# Altium PCB slave2020.PcbDoc (part 1 of 2) (continued)
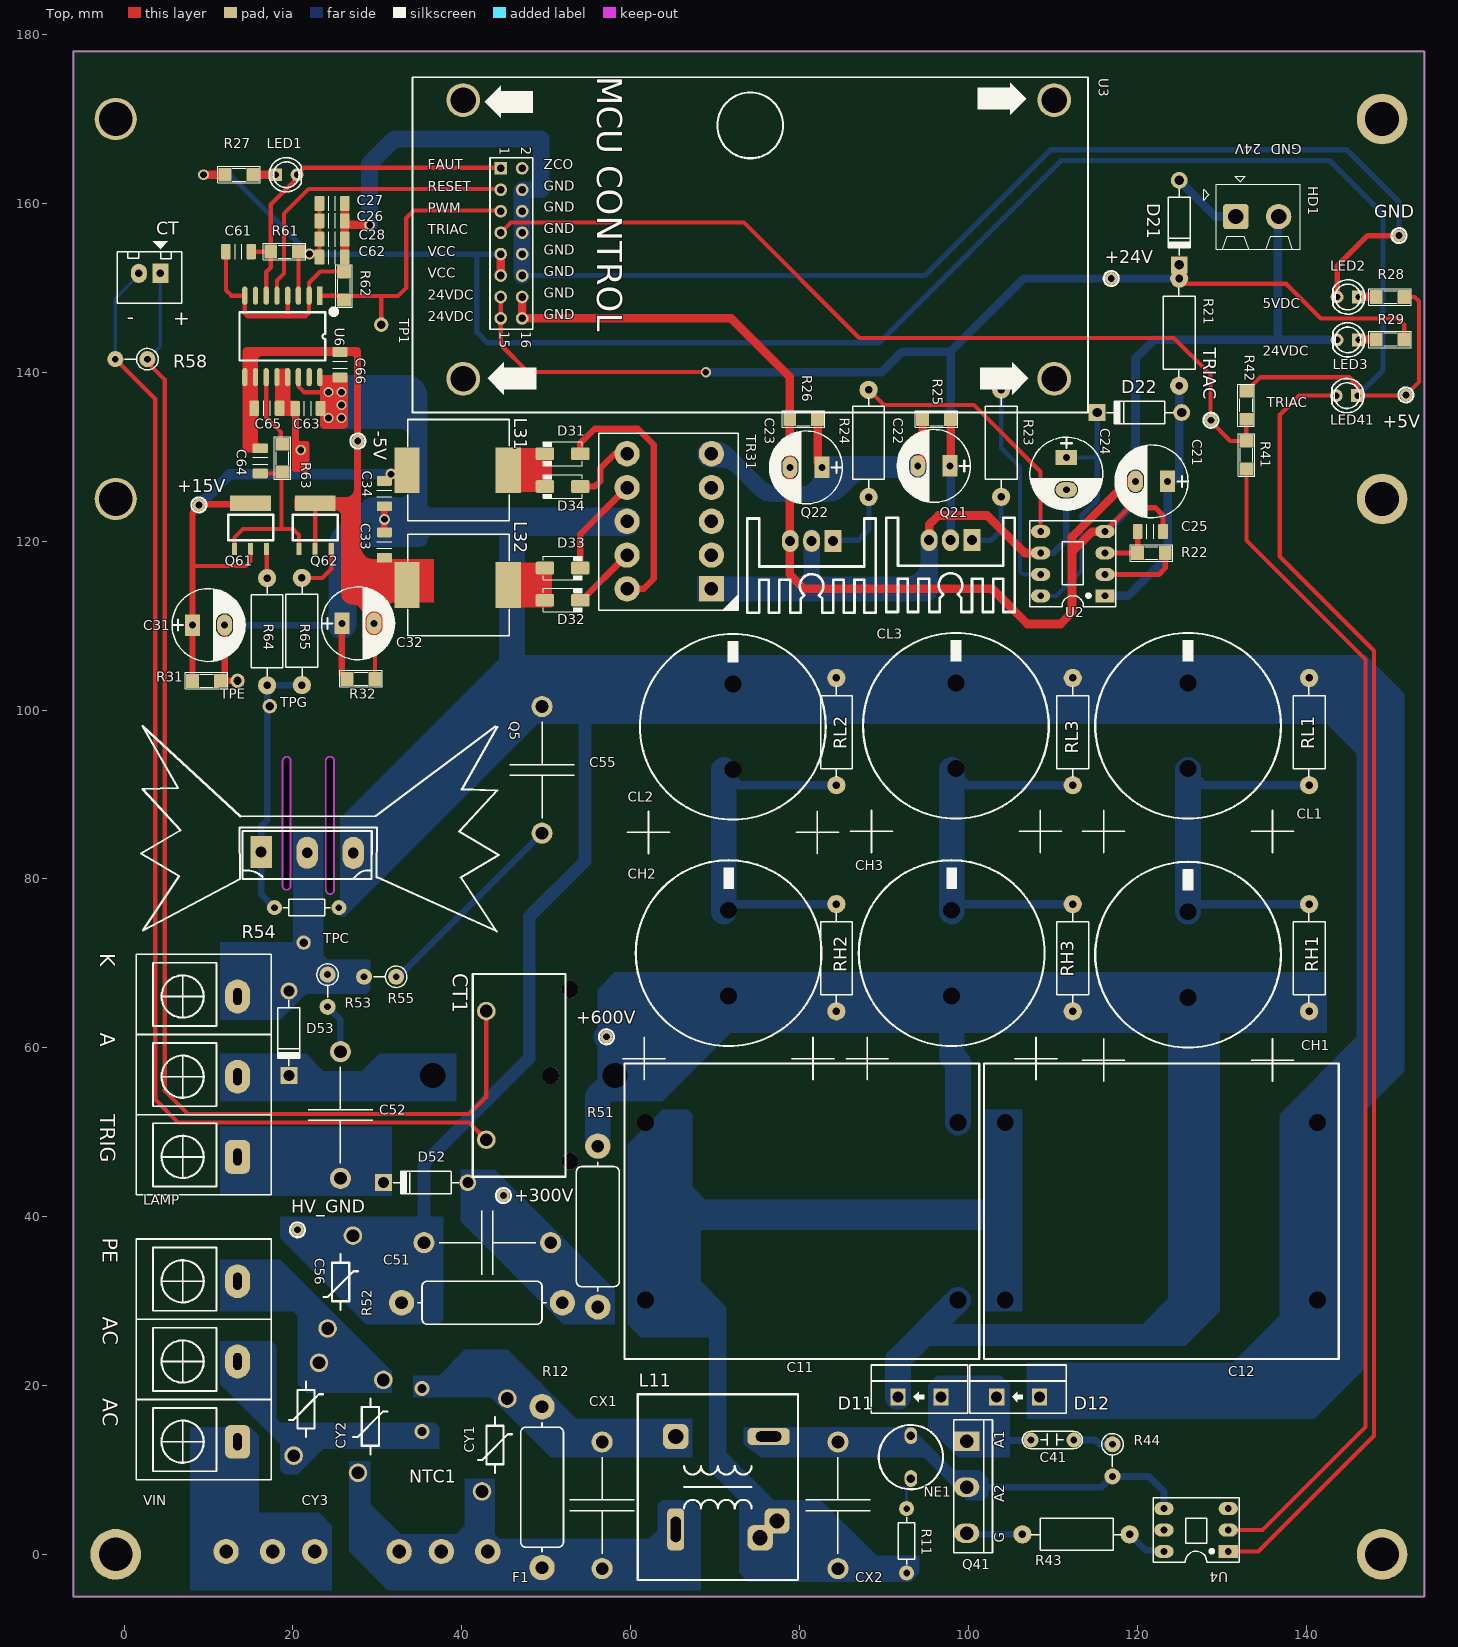
[diagram p0: Top view]
## Footprints (in the part's own frame and the unit in brackets; to place one, negate y for a bottom-side part, rotate by r counter-clockwise, add the part's x,y. Pads: shape width x height; smd on the part's side, far side on the other; paste and mask are expansions set on the pad) (continued)
MOV [mm] "20mm"
  round 2.2 hole 1.5: 1(0,0) 2(11,-3)
  silkscreen extent 2.2,-3.57 8.81,0.49, body extent -4.66,-3.29 15.34,0.21, height 24.75
NE2 [mm]
  oval 2x1.5 hole 1: 1(0,0) 2(5.08,0)
  silkscreen extent -1.27,-3.81 6.35,3.81, body extent 0.37,-2.03 4.71,2.32, height 9.5
PCBComponent_1 [mm]
  round 2.2 hole 1.5: 1(7.62,-4.445) 2(-7.62,-4.445)
  round 0 / inner round 0 / far side round 5 hole 3: 3(0,-10.795) 4(0,10.795)
  round 2 hole 2: H(-10.16,5.461) H(0,3.175) H(10.16,5.461)
  silkscreen extent -12,-6.05 12,4.95, body extent -12.03,-6.09 11.79,5.03, height 23.82
R1/4WD [mm] "R 1/4W, 2 Pin, 150mil"
  round 1.905 hole 0.8: 1(0,0) 2(3.81,0)
  silkscreen extent -1.28,-1.27 2.67,1.28, body extent -1.78,-1.7 4.32,1.7, height 13.42
RES-1/4W [mil]
  round 70 hole 31: 1(0,0) 2(300,0)
  silkscreen extent 40,-38 260,38, body extent -9,-40 309,39, height 79
RES-1W [mil]
  round 85 hole 35: 1(0,0) 2(500,0)
  silkscreen extent 42,-74 461,75, body extent -15,-74 515,74, height 189
RES-3W [mm]
  round 1.27 on Mech14: 0(9.525,0)
  round 3 hole 1.5: 1(0,0) 2(19.05,0)
  silkscreen extent 1.91,-2.54 17.14,2.54, body extent -0.43,-2.51 19.48,2.51, height 5.01
RES-SMD-1206 [mil]
  rect 60x65 smd: 1(0,0) 2(130,0)
  silkscreen extent -34,-38 164,39, body extent -18,-35 148,36, height 25
SO16 [mil]
  rect 85x25 smd: 1(0,0)
  oval 85x25 smd: 2(0,-50) 3(0,-100) 4(0,-150) 5(0,-200) 6(0,-250) 7(0,-300) 8(0,-350) 9(380,-350) 10(380,-300) 11(380,-250) 12(380,-200) 13(380,-150) 14(380,-100) 15(380,-50) 16(380,0)
  silkscreen extent 65,-375 303,75, body extent -7,-376 387,26, height 93
SOT223 [mm]
  rect 0.6x1.4 smd: 1(-1.905,-5.4) 2(0,-5.4) 3(1.905,-5.4)
  rect 4.826x1.78 smd: 2(0,0)
  silkscreen extent -2.67,-4.38 2.67,-1.34
TO247+LageHeatsink [mil]
  rect 150x100 hole 50: 1(0,0)
  oval 150x100 hole 50: 2(4,215) 3(5,430)
  silkscreen extent -587,-560 372,1108, body extent -620,-599 370,1039, height 2600
TO-126 [mm]
  round 1.8 hole 1.1: 1(0,0) 2(5.08,0)
  body extent -1.7,-0.97 6.73,1.83, height 14.32
TO-220-HEATSINK [mil]
  rect 78x102 hole 46.97: 1(0,0)
  oval 78x102 hole 46.97: 2(100,0) 3(200,0)
  round 0 all layers, no hole: HS(100,209.05)
  silkscreen extent -200,-105 400,335, body extent -191,-97 391,329, height 984
TO-220F [mm]
  rect 1.8x2 hole 1.3: A(2.54,0) K(-2.54,0)
  silkscreen extent -5.71,-1.91 5.71,3.81, body extent -4.92,-2.13 4.98,2.37, height 8.08
TOP3 [mm]
  rect 2.3x3 / inner rect 2.3x3 / far side oval 2.3x3 hole 1.6: 1(0,0)
  oval 2.3x3 hole 1.6: 2(5.45,0)
  oval 2.3x3 / inner oval 2.3x3 / far side rect 2.3x3 hole 1.6: 3(10.9,0)
  silkscreen extent -2.54,-1.52 13.21,3.05, body extent -2.34,-1.4 13.16,3.1, height 29.9
TP#1 [mm]
  round 1.7 hole 1: 1(0,0)
TP#2 [mm]
  round 1.7 hole 1: 1(14.94,-28.965)
TP#3 [mm]
  round 1.7 hole 1: 1(-13.335,-29.845)
TP#4 [mm]
  round 1.7 hole 1: 1(16.3,-7.892)
TP2 [mm]
  round 1.5 hole 0.8: 1(0,0)
  silkscreen extent -0.89,-0.89 0.89,0.89
"X2 CAP" [mm] "0.47uF X2 RATED SAFETY CAP 310 VAC WHT 18mmX14mmX8mm LEAD SPACING 15mm"
  round 2.5 hole 1.5: 1(0,0) 2(0,-15)
  silkscreen extent -3.81,-13.21 3.81,-1.78, body extent -4.02,-16.53 3.99,1.48, height 15.01

## Part data
C11 C12: library part "CAP NP", Capacitance=90uF, Dielectric=PP, ESR (Equivalent Series Resistance)=2.3mR, Manufacturer=WIMA, Manufacturer Part Number=C4AQLBW5900A3OK, Max Operating Temperature=105°C, Min Operating Temperature=-55°C, Supplier Part Number 1=505-DCP4-100/800/10L, Tolerance=10%, Voltage Rating=800V, cm1="T? di?n dán 0603", cm2="T? di?n dán 0805", cm3="T? di?n dán 1206", ComponentLink1Description=http://www.wima.com/EN/WIMA_DC_Link_MKP_4.pdf, ComponentLink1URL=http://www.wima.com/EN/WIMA_DC_Link_MKP_4.pdf, Height=65mm, Lead Pitch=52.5mm, Length=57mm, Packaging=Bulk, Stock 1=0, Supplier 1=Mouser, Termination=Radial, Width=45mm
C21 C22 C23: library part CP, "T? hóa 220uF/35V c?m", cm1="Tu nhôm 450V/150uF  c?m", cm2="T? hóa 220uF/35V c?m", cm3="Tu hóa < 22uF/16>50V c?m"
C24: library part CP, "T? hóa 100uF/35V c?m", cm1="Tu nhôm 450V/150uF  c?m", cm2="T? hóa 22uF/35V c?m", cm3="Tu hóa < 22uF/16>50V c?m"
C25 C26 C27 C28 C33 C34 C61 C62 C63 C64 C65 C66: library part CN, "T? dán SMD 1206", cm1="T? l?c nhi?u X2 chân c?m", cm2="T? ch?ng sét - Varistor chân c?m", cm3="T? k?o chân c?m", cm4="T? dán SMD 1206", cm5="T? cao áp chân c?m"
C31 C32: library part CP, "T? hóa 1000uF/35V c?m", cm1="Tu nhôm 450V/150uF  c?m", cm2="T? hóa 1000uF/35V c?m", cm3="Tu hóa < 22uF/16>50V c?m"
C41: library part CN, "T? cao áp chân c?m", cm1="T? l?c nhi?u X2 chân c?m", cm2="T? ch?ng sét - Varistor chân c?m", cm3="T? k?o chân c?m", cm4="T? dán SMD 1206", cm5="T? cao áp chân c?m"
C51 C52 C55: library part CN, "0.1µF Film Capacitor 250V 630V Polypropylene (PP), Metallized Radial 0.709\" L x 0.276\" W (18.00mm x 7.00mm)", Capacitance=100nF, Case/Package=Radial, Dielectric=PP, Flammability Rating="UL94 V-0", Manufacturer="TDK EPCOS", Manufacturer Part Number=B32652-A6104-J, Max Operating Temperature=100°C, Min Operating Temperature=-55°C, Package Quantity=1000, Supplier Part Number 1=B32652A6104J, Tolerance=5%, Voltage Rating=630V, Voltage Rating (AC)=250V, cm1="T? l?c nhi?u X2 chân c?m", cm2="T? ch?ng sét - Varistor chân c?m", cm3="T? k?o chân c?m", cm4="T? dán SMD 1206", cm5="T? cao áp chân c?m", Contact Plating=Matte,Tin, Depth=7mm, Dielectric Material=PP, Height - Seated (Max)=0.492inch, Lead Diameter=0.8mm, Lead Free="Lead Free", Lead Length=6mm, Lead Pitch=15mm, Length=0.709inch, Mount="Through Hole", Packaging=Bulk, Pricing 1="1=0.4069, 10=0.3499, 25=0.3489, 50=0.3489, 100=0.2639 (USD)", REACH SVHC="No SVHC", Stock 1=0, Supplier 1=Avnet, Termination="PC Pins", Voltage Rating (DC)=630V, Width=0.276inch
C56: library part CN, "T? cao áp chân c?m", Capacitance=200pF, Case/Package=Metal, Clamping Current=50A, Clamping Voltage=1.65kV, Manufacturer=Bourns, Max Operating Temperature=85°C, Max Surge Current=4.5kA, Max Varistor Voltage=1.1kV, Max Voltage Rating (AC)=625V, Max Voltage Rating (DC)=825V, Min Operating Temperature=-40°C, Min Varistor Voltage=900V, Package Quantity=500, Supplier Part Number 1=652-MOV-14D102K, Tolerance=10%, Varistor Voltage=1kV, cm1="T? l?c nhi?u X2 chân c?m", cm2="T? ch?ng sét - Varistor chân c?m", cm3="T? k?o chân c?m", cm4="T? dán SMD 1206", cm5="T? cao áp chân c?m", Current Rating=50A, Diameter=14mm, Energy=190J, Lead Pitch=7.5mm, Manufacturer Part Number=MOV-14D102K, Mount="Radial,Through Hole", Number of Circuits=1, Packaging=Bulk, Pricing 1="1=0.69, 10=0.507, 50=0.507, 100=0.435, 1000=0.246, 10000=0.188 (USD)", Radiation Hardening=No, REACH SVHC="No SVHC", Stock 1=4534, Supplier 1=Mouser, Voltage Rating (AC)=625V, Voltage Rating (DC)=1kV, Weight=0.105822oz
CH1 CH2 CH3 CL1 CL2 CL3: library part CP, "WURTH ELEKTRONIK         861141483005             Electrolytic Capacitor, Snap-in, 150 F, 450 V, WCAP-AI3H Series,  20%, 22 mm, 10 mm", Case/Package=Radial, Manufacturer="Wurth Electronics", Manufacturer Part Number=861141483005, Max Operating Temperature=105°C, Min Operating Temperature=-25°C, Package Quantity=100, Ripple Current=880mA, Supplier Part Number 1=710-861141483005, Tolerance=20%, Voltage Rating=450V, Capacitance=180uF, cm1="Tu nhôm 450V/150uF  c?m", cm2="T? hóa 1000uF/35V c?m", cm3="Tu hóa < 22uF/16>50V c?m", Diameter=22mm, Height=46mm, Height - Seated (Max)=1.89inch, Lead Pitch=0.394inch, Life (Hours)=3000Hour, Mount="Through Hole", Packaging=Tray, Polarity=Polar, Pricing 1="1=6.18, 10=6.17, 50=5.36, 100=4.62, 1000=3.23, 10000=2.82 (USD)", REACH SVHC=Unknown, Stock 1=96, Supplier 1=Mouser, Voltage Rating (DC)=450V
CT: library part Con2, "Connector 2"
CT1: "Bi?n dòng cách ly 20A/20mA", Current Rating=20A, DC Resistance (DCR)=40R, Frequency=60Hz, Manufacturer="Triad Magnetics", Manufacturer Part Number=CST-1020, Package Quantity=1, Power Rating=40mW, Supplier Part Number 1=553-CST-1020, Approvals=UL, Height=24.8mm, Height - Seated (Max)=24.8mm, Input Current=20A, Lead Free="Lead Free", Length=23.5mm, Mount="PCB,Through Hole", Packaging=Bulk, Pricing 1="1=6.39, 10=5.2, 50=4.55, 100=4.48, 1000=4.06, 10000=4.06 (USD)", REACH SVHC=Unknown, Stock 1=124, Supplier 1=Mouser, Termination="PC Pin", Turns Ratio=1000:1, Weight=0.705479oz, Width=12mm
CX1 CX2: library part CN, "T? l?c nhi?u X2 chân c?m", Capacitance=220nF, Case/Package=Radial, Dielectric=PP, Manufacturer="Wurth Electronics", Manufacturer Part Number=890324024002CS, Max Operating Temperature=105°C, Min Operating Temperature=-40°C, Tolerance=10%, Voltage Rating (AC)=275V, cm1="T? l?c nhi?u X2 chân c?m", cm2="T? ch?ng sét - Varistor chân c?m", cm3="T? k?o chân c?m", cm4="T? dán SMD 1206", cm5="T? cao áp chân c?m", Dielectric Material=PP, Height - Seated (Max)=0.512inch, Lead Pitch=0.492inch, Length=0.591inch, Mount="Through Hole", Packaging=Bulk, Pricing 1="1=0.52, 50=0.474, 100=0.436, 250=0.404, 500=0.376 (USD)", REACH SVHC=Unknown, spn1=70997332, Stock 1=100, Supplier 1="Allied Electronics", Termination="PC Pins", Width=0.276inch
CY1 CY2 CY3: library part Varistor, "Ceramic Disc Capacitors 250volts 2200pF 20% Y5U", Capacitance=2.2nF, Case/Package=Radial, Dielectric=Y5U, Dielectric Material=PP, Manufacturer=KEMET, Max Operating Temperature=125°C, Min Operating Temperature=-25°C, MPN=C931U222MUWDBA7317, Package Quantity=500, Supplier Part Number 1=80-C931U222MUWDBAP, Tolerance=20%, Voltage=250V, cm="Varistor chân c?m", Composition=Ceramic, Contact Plating=Tin, Depth=5mm, Diameter=10mm, Dissipation Factor=2.5%, Lead/Base Style=Kinked, Lead Pitch=10mm, Mount="Through Hole", Packaging="Cut Tape", Pricing 1="1=1.53, 10=1.18, 50=1.18, 100=0.747, 1000=0.509, 10000=0.509 (USD)", REACH SVHC="No SVHC", Stock 1=5642, Supplier 1=Mouser, Termination=Radial, Voltage Rating=250V, Voltage Rating (AC)=250V
D11 D12: library part Diode, Manufacturer="WeEn Semiconductors", MPN=BYT79X-600PQ, cm1="Ði ?t c?m", cm2="Ði ?t dán", Stock 1=0, Supplier 1=Avnet, Supplier Part Number 1=BYT79X-600PQ, vl2=FR307, vl3="TVS 1.5KE300A 19A 300V", vl4="HER508 5A 1000V"
D21 D22: library part Diode, Average Rectified Current=1A, Capacitance=15pF, Forward Voltage=1.1V, Manufacturer="ON Semiconductor / Fairchild", Manufacturer Part Number=1N4007, Max Forward Surge Current (Ifsm)=30A, Max Operating Temperature=175°C, Max Repetitive Reverse Voltage (Vrrm)=1kV, Min Operating Temperature=-65°C, Package Quantity=1000, Peak Reverse Current=5uA, Power Dissipation=3W, cm1="Ði ?t c?m", cm2="Ði ?t dán", Contact Plating=Matte,Tin, Current Rating=1A, Diameter=2.72mm, Element Configuration=Single, Forward Current=1A, Height=5.2mm, Lead Free="Lead Free", Length=5.2mm, Max Reverse Voltage (DC)=1kV, Max Surge Current=30A, Mount="Through Hole", Number of Pins=2, Output Current=1A, Packaging="Tape and Reel", Peak Non-Repetitive Surge Current=30A, Polarity=Standard, Pricing 1="1=0.18, 10=0.168, 100=0.0912, 500=0.05614, 1000=0.03827 (USD)", Radiation Hardening=No, REACH SVHC="No SVHC", Reverse Voltage=1kV, Stock 1=0, Supplier 1=Digi-Key, vl1=1N4007FSCT-ND, vl2=FR307, vl3="TVS 1.5KE300A 19A 300V", vl4="HER508 5A 1000V", Voltage Rating (DC)=1kV, Weight=0.245g, Width=2.72mm
D31 D32 D33 D34: library part Diode, "Diode nhanh dán", Average Rectified Current=1A, Case/Package=SMA, Forward Voltage=500mV, Manufacturer="ON Semiconductor / Fairchild", Manufacturer Part Number=SS14, Max Forward Surge Current (Ifsm)=40A, Max Operating Temperature=125°C, Max Power Dissipation=1.1W, Max Repetitive Reverse Voltage (Vrrm)=40V, Min Operating Temperature=-65°C, Package Quantity=7500, Peak Reverse Current=200uA, cm1="Diode nhanh c?m", cm2="Diode nhanh dán", cm3="Diode zenner", Current=1A, Current Rating=1A, Element Configuration=Single, Forward Current=1A, Height=2.2mm, Lead Free="Lead Free", Length=4.75mm, Max Reverse Voltage (DC)=40V, Mount="Surface Mount", Number of Elements=1, Number of Pins=2, Number of Terminals=2, Output Current=1A, Packaging="Tape and Reel", Peak Non-Repetitive Surge Current=40A, Polarity=Standard, Power Dissipation=1.1W, Pricing 1="1=0.42, 10=0.294, 50=0.294, 100=0.135, 1000=0.104, 10000=0.081 (USD)", Radiation Hardening=No, REACH SVHC="No SVHC", Stock 1=456962, Supplier 1=Mouser, Termination=SMD/SMT, vl1=512-SS14, Voltage=40V, Voltage Rating (DC)=40V, Weight=0.003739oz, Width=2.95mm
D52 D53: library part Diode, "DIODE GEN PURP 1KV 1A AXIAL", Average Rectified Current=1A, Case/Package=Axial, Forward Voltage=1.75V, Manufacturer="ON Semiconductor", Max Forward Surge Current (Ifsm)=35A, Max Operating Temperature=175°C, Max Repetitive Reverse Voltage (Vrrm)=1kV, Min Operating Temperature=-65°C, Package Quantity=1, Peak Reverse Current=10uA, Supplier Part Number 1=863-MUR1100ERLG, cm1="Ði ?t c?m", cm2="Ði ?t dán", Contact Plating=Matte,Tin, Current Rating=1A, Diameter=2.7mm, Element Configuration=Single, Forward Current=1A, Halogen Free="Halogen Free", Height=2.7mm, Lead Free="Lead Free", Length=5.2mm, Max Reverse Voltage (DC)=1kV, Max Surge Current=35A, Number of Pins=2, Output Current=1A, Packaging="Tape and Reel", Peak Non-Repetitive Surge Current=35A, Polarity=Standard, Pricing 1="1=0.41, 10=0.339, 50=0.339, 100=0.207, 1000=0.16, 10000=0.127 (USD)", Radiation Hardening=No, REACH SVHC="No SVHC", Recovery Time=100ns, Reverse Recovery Time=100ns, Reverse Voltage=1kV, Stock 1=36652, Supplier 1=Mouser, vl1=MUR1100ERLG, vl2=FR307, vl3="TVS 1.5KE300A 19A 300V", vl4="HER508 5A 1000V", Voltage Rating (DC)=1kV, Weight=100lb, Width=2.7mm
F1: library part Fuse, "C?u chì ?ng th?y tinh", cm1="C?u chì ?ng th?y tinh"
HD1: library part HEADER2, "300V 10A", cm="300V 10A"
L11: library part Choke, "Cu?n c?m l?c ngu?n d?u vào", Case/Package=SMD/SMT, Current=1A, DC Resistance (DCR)=310mR, Inductance=1.8mh, Manufacturer="Wurth Electronics", Max Current Rating=15A, Max Operating Temperature=125°C, Min Operating Temperature=-40°C, Package Quantity=30, Supplier Part Number 1=710-744862018, Test Frequency=10kHz, Tolerance=50%, Voltage Rating (AC)=250V, Core Material=Ferrite, Current Rating=1A, Depth=11mm, Height=17mm, Lead Pitch=8mm, Length=17mm, Manufacturer Part Number=744862018, Max DC Current=1A, Mount="Through Hole", Number of Lines=2, Packaging=Rail/Tube, Pricing 1="1=3.85, 10=3.6, 50=3.13, 100=2.82, 1000=2.29, 10000=1.91 (USD)", REACH SVHC="No SVHC", Resistance=310mR, Stock 1=165, Stock 2=0, Supplier 1=Mouser, Supplier 2=RSComponents, Supplier Part Number 2=899-6968, Termination=Radial, Width=11mm
L31 L32: library part Inductor, "Cu?n c?m dán SMD", Case/Package=Nonstandard, Current Rating=2.2A, DC Resistance (DCR)=220mR, Inductance=100uh, Inductance Tolerance=20%, Manufacturer="Wurth Electronics", Max Operating Temperature=125°C, Min Operating Temperature=-40°C, Package Quantity=500, Saturation Current=2.4A, Self Resonant Frequency=5.2MHz, Supplier Part Number 1=710-74477020, Test Frequency=1kHz, cm2="Cu?n c?m dán SMD", Composition=Wirewound, Core Material=Ferrite, Depth=12mm, Height=8mm, Height - Seated (Max)=0.315inch, Lead Pitch=7mm, Length=12mm, Max DC Current=2.2A, Mount="Surface Mount", Number of Pins=2, Packaging="Tape and Reel", pn=74477020, Pricing 1="1=2.25, 10=2.1, 50=1.95, 100=1.78, 1000=1.25, 10000=1.25 (USD)", REACH SVHC=Unknown, Resistance=220mR, RMS Current (Irms)=2.2A, Series Resistance=220mR, Shielding=Shielded, Stock 1=2215, Supplier 1=Mouser, Termination=SMD/SMT, Tolerance=20%, Weight=0.04lb, Width=12mm
LAMP VIN: library part "HEADER 3", "Pitch:9.5mm;Poles:3P;Rated Voltage/Current:300V/25A", cm1="Gi?c ngu?n 3 chân. 9.5mm :"
  LAMP: Parameter="Pitch:9.5mm;Poles:3P;Rated Voltage/Current:300V/25A"
LED1: library part "LED 3mm", "Led d? chân c?m", cm="Led d?"
LED2 LED3: library part "LED 3mm", "Led xanh chân c?m", cm="Led d?"
LED41: library part "LED 3mm", "Led vàng chân c?m", cm="Led d?"
NE1: library part NE, "T2 WIRE TERMINAL NEON (NE-2)", Colour=Clear,Orange, Current Rating=600uA, Lens Colour=Clear, Manufacturer="VCC CHML", Manufacturer Part Number=A1A, Package Quantity=200, Voltage=1.8V, Voltage Rating=90V, Voltage Rating (AC)=250V, Lead/Base Style="Wire Terminal", Life (Hours)=25000Hour, Mount="Surface Mount", Operating Supply Current=600uA, Packaging=Bulk, Pricing 1="1=0.28, 10=0.28, 50=0.26, 100=0.23, 1000=0.19, 10000=0.19 (USD)", Stock 1=7888, Supplier 1=Mouser, Supplier Part Number 1=606-A1A, Viewing Angle=170°
NTC1: library part Resistor, "NTC", Case/Package=TO-220, Manufacturer=Bourns, Manufacturer Part Number=PWR221T-30-R100F, Max Operating Temperature=150°C, Max Power Dissipation=30W, Min Operating Temperature=-55°C, Package Quantity=50, Resistance=100mR, Supplier Part Number 1=652-PWR221T-30-R100F, Temperature Coefficient=300ppm/°C, Threshold Voltage=1.7V, Tolerance=1%, Voltage Rating=2kV, Voltage Rating (DC)=250V, cm1="Tr? dán SMD 1206", cm2="Tr? c?m 1W", cm3="Tr? c?m 2W", cm4="Tr? c?m 5W", cm5="Tr? c?m 1/4W", cm6=NTC, ComponentLink1Description=https://www.bourns.com/docs/Product-Datasheets/PWR221T-30.pdf, ComponentLink1URL=https://www.bourns.com/docs/Product-Datasheets/PWR221T-30.pdf, ComponentLink2Description=http://www.bourns.com/data/global/pdfs/PWR221T-30.pdf, ComponentLink2URL=http://www.bourns.com/data/global/pdfs/PWR221T-30.pdf, ComponentLink3Description=http://www.mouser.com/ds/2/54/wr221t-30-777826.pdf, ComponentLink3URL=http://www.mouser.com/ds/2/54/wr221t-30-777826.pdf, Composition="Thick Film", Depth=3.18mm, Features="Automotive AEC-Q200", Height=16.26mm, Lead Diameter=0.72mm, Lead Pitch=5.08mm, Length=10.41mm, Military Standard=Not, Mount="Through Hole", Number of Terminations=2, Packaging=Rail/Tube, Power Rating=30W, Pricing 1="1=2.79, 10=2.48, 50=2.16, 100=1.89, 1000=1.17, 10000=1.15 (USD)", REACH SVHC="No SVHC", Stock 1=654, Supplier 1=Mouser, Terminal Pitch=5.08mm, Termination=Radial, Width=0.125inch
Q5: library part IGBT, "IGBT 1200V 188A 1150W TO264", Case/Package=TO-264-3, Collector Emitter Breakdown Voltage=1.2kV, Collector Emitter Saturation Voltage=2.9V, Manufacturer=IXYS, Manufacturer Part Number=IXYK100N120C3, Max Collector Current=188A, Max Operating Temperature=175°C, Max Power Dissipation=1.15kW, Min Operating Temperature=-55°C, Package Quantity=25, Supplier Part Number 1=808-0293, cm="Uce = 1200V; Icp = 530A", Collector Emitter Voltage (VCEO)=1.2kV, Element Configuration=Single, Height=26.59mm, Lead Free="Lead Free", Length=20.29mm, Mount="Through Hole", Number of Pins=3, Packaging=Rail/Tube, Power Dissipation=1.15kW, Pricing 1="1=16.33, 5=15.17, 10=14.52, 30=13.94, 90=13.23 (EUR)", Stock 1=0, Supplier 1=RSComponents, Turn-Off Delay Time=123ns, Turn-On Delay Time=32ns, Width=5.31mm
Q21 Q22: library part IRF540N, "HEXFET Power MOSFET", Case/Package=TO-220AB, Continuous Drain Current (ID)=33A, Current Rating=27A, Drain to Source Breakdown Voltage=100V, Drain to Source Resistance=44mR, Gate to Source Voltage (Vgs)=20V, Input Capacitance=1.96nF, Manufacturer="International Rectifier", Max Operating Temperature=175°C, Max Power Dissipation=130W, Min Operating Temperature=-55°C, On-State Resistance=44MR, Package Quantity=50, Threshold Voltage=4V, cm="HEXFET Power MOSFET", Drain to Source Voltage (Vdss)=100V, Dual Supply Voltage=100V, Element Configuration=Single, Fall Time=35ns, Height=8.77mm, Lead Free="Lead Free", Lead Pitch=2.54mm, Length=10.54mm, Manufacturer Part Number=IRF540NPBF, Mount="Through Hole", Nominal Vgs=4V, Number of Elements=1, Number of Pins=3, Packaging=Rail/Tube, Power Dissipation=130W, Pricing 1="1=0.6745, 10=0.6227, 100=0.5214, 500=0.4542, 1000=0.4012 (USD)", Radiation Hardening=No, Rds On Max=44mR, REACH SVHC="No SVHC", Recovery Time=170ns, Rise Time=35ns, Stock 1=450, Supplier 1=Arrow, Supplier Part Number 1=IRF540NPBF, Termination="Through Hole", Turn-Off Delay Time=39ns, Turn-On Delay Time=11ns, Voltage Rating (DC)=100V, Width=4.69mm
Q41: library part BTA26-600, "TRIAC, 25A, 600V, TOP-3", Current Rating=25A, Hold Current=75mA, Isolation Voltage=2.5kV, Manufacturer=STMicroelectronics, Max Operating Temperature=125°C, Max Repetitive Reverse Voltage (Vrrm)=600V, Min Operating Temperature=-40°C, Package Quantity=30, Supplier Part Number 1=511-BTA26-600BW, Channel Type=Bidirectional, cm1=Triac, Contact Plating=Matte,Tin, Element Configuration=Single, Height=21.1mm, Lead Free="Lead Free", Length=15.5mm, Manufacturer Part Number=BTA26-600BWRG, Mount="Through Hole", Number of Pins=3, Packaging=Rail/Tube, Pricing 1="1=5.05, 10=4.29, 50=4.29, 100=3.72, 1000=2.67, 10000=2.54 (USD)", Radiation Hardening=No, REACH SVHC="No SVHC", RMS Current (Irms)=25A, Stock 1=0, Supplier 1=Mouser, Voltage Rating (DC)=600V, Width=4.6mm
Q61: "TRANS NPN 60V 7A SOT223", Case/Package=SC, Collector Base Voltage (VCBO)=60V, Emitter Base Voltage (VEBO)=5V, Manufacturer="NXP Semiconductors", Manufacturer Part Number=PBSS4041NZ,115, Max Collector Current=7A, Max Operating Temperature=150°C, Max Power Dissipation=2.6W, Min Operating Temperature=-55°C, Package Quantity=1, Supplier Part Number 1=771-PBSS4041NZ115, Transition Frequency=105MHz, Collector Emitter Breakdown Voltage=60V, Collector Emitter Voltage (VCEO)=60V, Element Configuration=Single, Gain Bandwidth Product=105MHz, hFE Min=300, Lead Free="Lead Free", Max Breakdown Voltage=60V, Mount="Surface Mount", Number of Elements=1, Number of Pins=4, Packaging="Tape and Reel", Polarity=NPN, Power Dissipation=2.6W, Pricing 1="1=0.83, 10=0.682, 50=0.682, 100=0.44, 1000=0.352, 10000=0.287 (USD)", Radiation Hardening=No, Stock 1=0, Supplier 1=Mouser
Q62: "TRANS PNP 60V 5.7A SOT223", Case/Package=SC, Collector Base Voltage (VCBO)=60V, Emitter Base Voltage (VEBO)=-5V, Frequency=110MHz, Manufacturer="NXP Semiconductors", Manufacturer Part Number=PBSS4041PZ,115, Max Collector Current=5.7A, Max Operating Temperature=150°C, Max Power Dissipation=2.6W, Min Operating Temperature=-55°C, Package Quantity=1, Supplier Part Number 1=771-PBSS4041PZ115, Collector Emitter Breakdown Voltage=60V, Collector Emitter Voltage (VCEO)=60V, Element Configuration=Single, Gain Bandwidth Product=110MHz, hFE Min=200, Max Breakdown Voltage=60V, Mount="Surface Mount", Number of Elements=1, Number of Pins=4, Packaging="Tape and Reel", Polarity=PNP, Power Dissipation=2.6W, Pricing 1="1=0.75, 10=0.62, 50=0.62, 100=0.4, 1000=0.32, 10000=0.261 (USD)", Radiation Hardening=No, Stock 1=274, Supplier 1=Mouser, Transition Frequency=110MHz
R11: library part Resistor, "Tr? c?m 1/4W", cm1="Tr? dán SMD 1206", cm2="Tr? c?m 1W", cm3="Tr? c?m 2W", cm4="Tr? c?m 5W", cm5="Tr? c?m 1/4W", cm6=NTC
R12 R44 R51 R52 R53 R55 R58 RH1 RH2 RH3 RL1 RL2 RL3: library part Resistor, "Tr? c?m 2W", cm1="Tr? dán SMD 1206", cm2="Tr? c?m 1W", cm3="Tr? c?m 2W", cm4="Tr? c?m 5W", cm5="Tr? c?m 1/4W", cm6=NTC
R21 R23 R24 R43 R64 R65: library part Resistor, "Tr? c?m 1W", cm1="Tr? dán SMD 1206", cm2="Tr? c?m 1W", cm3="Tr? c?m 2W", cm4="Tr? c?m 5W", cm5="Tr? c?m 1/4W", cm6=NTC
R22 R25 R26 R27 R28 R29 R31 R32 R41 R42 R61 R62 R63: library part Resistor, "Tr? dán SMD 1206", cm1="Tr? dán SMD 1206", cm2="Tr? c?m 1W", cm3="Tr? c?m 2W", cm4="Tr? c?m 5W", cm5="Tr? c?m 1/4W", cm6=NTC
R54: library part Res, "Resistor", cm1="Ði?n tr? dán 0603", cm2="Ði?n tr? c?m 1/4W", cm3="Ði?n tr? dán 0805", cm4="Ði?n tr? dán 1206"
TP1: "TEST POINT"
TPC: library part "Test Point", "Testpoint C"
TPE: library part "Test Point", "Testpoint E"
TPG: library part "Test Point", "Testpoint G"
TR31: library part Tranformer
U2: "IC, MOSFET/IGBT DRIVER HALF BRIDGE", Case/Package=SOIC, Frequency=106kHz, Manufacturer="International Rectifier", Manufacturer Part Number=IR2153PBF, Max Operating Temperature=125°C, Max Output Current=400mA, Max Power Dissipation=1W, Max Supply Current=5mA, Max Supply Voltage=16.8V, Min Operating Temperature=-40°C, Min Supply Voltage=10V, Output Voltage=20V, Package Quantity=50, Supplier Part Number 1=942-IR2153PBF, cm="Self-Oscillating Half-Bridge Driver", Fall Time=100ns, Height=4.94mm, Lead Free="Lead Free", Length=10.92mm, Max Frequency=106kHz, Mount="Surface Mount,Through Hole", Nominal Supply Current=5mA, Number of Drivers=2, Number of Outputs=2, Number of Pins=8, Output Current=400mA, Packaging=Rail/Tube, Power Dissipation=1W, Pricing 1="1=2.08, 10=1.76, 50=1.76, 100=1.41, 1000=1.03, 10000=0.88 (USD)", Radiation Hardening=No, REACH SVHC="No SVHC", Rise Time=150ns, Stock 1=8993, Supplier 1=Mouser, Turn-Off Delay Time=100ns, Turn-On Delay Time=150ns, Type="Integrated Circuit (IC)", Width=7.11mm
U4: library part MOC, "OPTOISOLATOR 4.17KV TRIAC 6DIP", Case/Package=DIP, Forward Current=60mA, Forward Voltage=1.15V, Hold Current=100uA, Isolation Voltage=5.3kV, Manufacturer="ON Semiconductor / Fairchild", Manufacturer Part Number=MOC3020-M, Max Input Voltage=1.5V, Max Operating Temperature=85°C, Max Power Dissipation=330mW, Min Operating Temperature=-40°C, Package Quantity=1000, Reverse Breakdown Voltage=3V, Approvals=UL, cm="400V Optoisolators Triac Driver Output", Contact Plating=Matte,Tin, Height=0.25inch, Input Current=60mA, Lead Free="Lead Free", Length=0.25inch, Max Input Current=60mA, Mount="Through Hole", Nominal Input Voltage=1.15V, Number of Channels=1, Number of Circuits=1, Number of Elements=1, Number of Pins=6, Packaging=Bulk, Power Dissipation=330mW, Pricing 1="1=0.3556, 10=0.3226, 100=0.2522, 500=0.1997, 1000=0.1797 (USD)", Radiation Hardening=No, REACH SVHC="No SVHC", Stock 1=10, Supplier 1="Arrow Electronics, Inc.", Supplier Part Number 1=MOC3020M, Weight=0.855g, Width=0.25inch
U6: "BROADCOM LIMITED         HCPL-316J-500E             OPTOCOUPLER, GATE DRIVE, 1-CH, 3.75KV", Case/Package=SOIC, High Level Output Current=2A, Isolation Voltage=5kV, Manufacturer=Broadcom, Manufacturer Part Number=HCPL-316J-500E, Max Operating Temperature=100°C, Max Output Current=2.5A, Min Operating Temperature=-40°C, Supplier Part Number 1=516-1777-1-ND, Approvals=CSA,EN,IEC,UR, cm1="OPTOISO 5KV 2CH GATE DRIVER 16SO", Low Level Output Current=2A, Mount="Surface Mount", Number of Channels=2, Number of Pins=16, Packaging="Tape and Reel", Pricing 1="1=7.39, 10=6.161, 25=5.1748, 100=4.4356, 250=3.94272 (USD)", Propagation Delay=500ns, Pulse Width Distortion (PWD)=300ns, REACH SVHC="No SVHC", Stock 1=5204, Supplier 1=Digi-Key

## Free pads (board coordinates)
  round 5 hole 4: 0(-1,125) 0(-1,170)
  round 4 hole 3: 0(110.155,172.24)
  round 6 hole 4: 0(149,125) 0(149,170) 1(-1,0) 1(149,0)

## Via types
v1: diameter 1.2, hole 0.8, Top to Bottom, 7 vias
v2: diameter 1.3, hole 0.8, Top to Bottom, tented both sides, 6 vias

## Nets (pads, with @x,y where several pads share a name; then routed paths per layer and width w, separated by ;. In a path a pad name is that pad's centre, name@x,y a point inside that pad or via, vN(x,y) a via of type N, cw(c..) or ccw(c..) an arc to the next point about the centre after c; other vN are vias at no path point)
24V: +24V.1 C22.1 D21.K Q21.2 R21.1 R25.2 R29.1 U3.13 U3.15 | length 150.6
  Top w0.5: U3.13@44.605,148.92 U3.15@44.605,146.38 44.605,143.256 47.831,140.03 v1@68.899,140.03 ; R21.1@124.965,151.11 125.6,150.475 137.64,150.475 141.731,146.384 150.87,146.384 151.607,145.647 R29.1@151.607,143.895 R29.1@151.607,143.84
  Top w1: C22.1@97.81,128.909 97.881,128.98 R25.2@97.881,134.446
  Bottom w1: v1(68.899,140.013) 89.739,140.013 92.166,142.441 97.881,142.441 ; Q21.2@97.881,120.122 97.881,128.758 97.881,142.441 ; R21.1@124.965,151.11 106.55,151.11 97.881,142.441
  Bottom w2: C22.1@97.881,128.758 C22.1@97.905,128.782
AC1: CX1.2 CY1.2 L11.4 NTC1.2 R12.2 | length 35.5
  Bottom w0.381: NTC1.2@35.275,19.638 37.307,19.638 40.355,22.686 44.292,22.686 R12.2@49.499,17.479 53.676,13.302 CX1.2@56.611,13.302 56.657,13.348 64.721,13.348 L11.4@65.327,13.954
AC1_1: CX2.2 L11.3 NE1.2 Q41.2 R44.2 U4.4 | length 52.8
  Bottom w0.8: L11.3@76.327,13.954 76.375,14.002 93.139,14.002 NE1.2@93.187,14.05 93.187,13.8 99.033,7.954 Q41.2@99.791,7.954 115.793,7.954 R44.2@117.063,9.224 121.381,9.224 123.159,7.446 U4.4@123.159,5.414
AC1_2: C41.1 D11.A D12.K Q41.1 | length 19.6
  Bottom w0.381: D11.A@96.743,18.622 100.045,18.622 ; Q41.1@99.86,13.473 Q41.1@99.791,13.404 99.791,18.368 100.045,18.622 ; D12.K@103.347,18.622 100.045,18.622 ; C41.1@107.342,13.473 C41.1@107.411,13.542
  Bottom w0.8: Q41.1@99.86,13.473 C41.1@107.342,13.473